# Altium PCB BMS.PcbDoc (part 1 of 2) (continued)
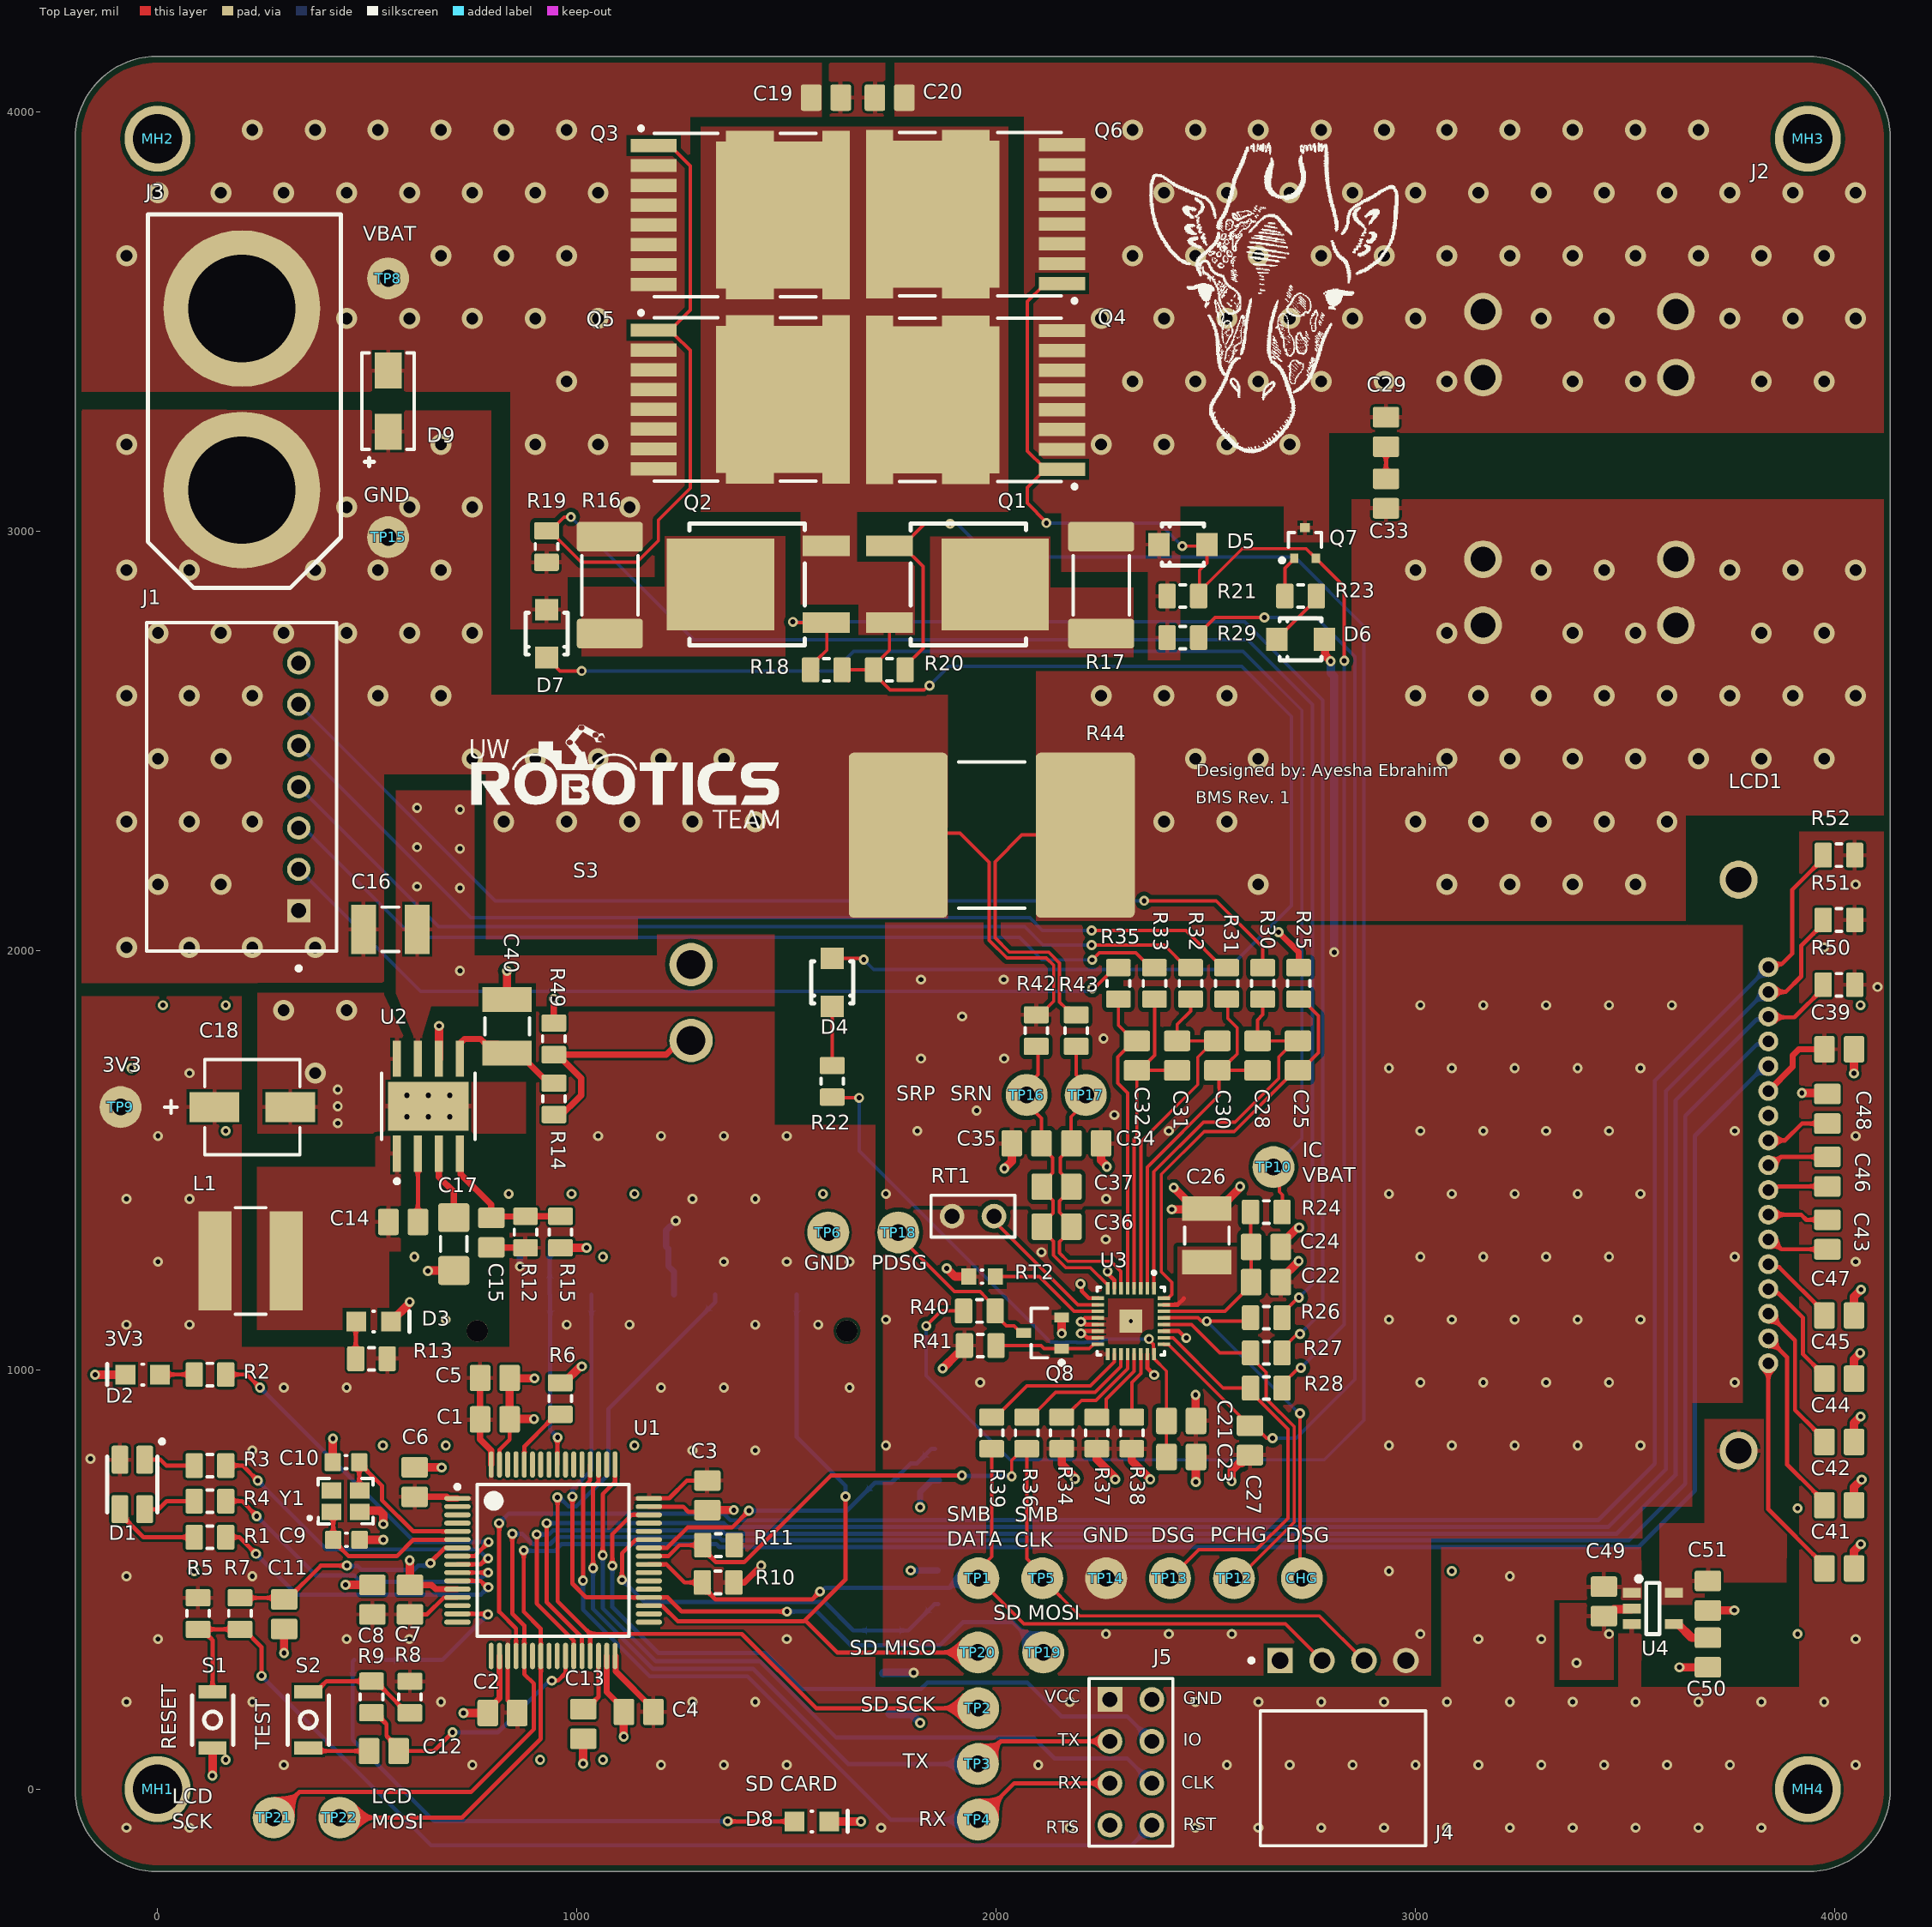
[diagram p0: Top Layer view]
## Components (designator, comment, footprint, x,y, rotation, side; value= is the part's Value field where it differs from the comment) (continued)
TP10 "TESTPOINT_LOOP" TESTPOINT_LOOP 2662.1,1483.9 r270 top
TP12 "TESTPOINT_LOOP" TESTPOINT_LOOP 2567.94,503 r90 top
TP13 "TESTPOINT_LOOP" TESTPOINT_LOOP 2415.45,503 r90 top
TP14 "TESTPOINT_LOOP" TESTPOINT_LOOP 2262.97,503 r90 top
TP15 "TESTPOINT_LOOP" TESTPOINT_LOOP 550,2986.3 r270 top
TP16 "TESTPOINT_LOOP" TESTPOINT_LOOP 2073.34,1655.82 r270 top
TP17 "TESTPOINT_LOOP" TESTPOINT_LOOP 2214.34,1655.82 r270 top
TP18 "TESTPOINT_LOOP" TESTPOINT_LOOP 1767,1328 r270 top
TP19 "TESTPOINT_LOOP" TESTPOINT_LOOP 2113,326 r90 top
TP20 "TESTPOINT_LOOP" TESTPOINT_LOOP 1957,326 r90 top
TP21 "TESTPOINT_LOOP" TESTPOINT_LOOP 277,-68 r90 top
TP22 "TESTPOINT_LOOP" TESTPOINT_LOOP 434,-68 r90 top
U1 "STM32F446RET6" STM-LQFP64_L 943.65,545.97 r0 top
U2 "LMR23610ADDAR" "8-SO PowerPad" 646,1629.19 r90 top
U3 "BQ40Z80RSMT" BQ40Z80RSMT 2321.91,1116.2 r270 top
U4 "LP3985IM5-3.0/NOPB" SOT23-5 3567.25,430.91 r0 top
Y1 "CRYSTAL_25MHZ" SOIC254P1016X440-4N 448.51,687.02 r0 top

## Footprints (in the part's own frame and the unit in brackets; to place one, negate y for a bottom-side part, rotate by r counter-clockwise, add the part's x,y. Pads: shape width x height; smd on the part's side, far side on the other; paste and mask are expansions set on the pad)
8-HPSOF [mm]
  rect 0.8x2.8 smd: 1(-4.2,-5.24) 2(-3,-5.24) 2(-1.8,-5.24) 2(-0.6,-5.24) 2(0.6,-5.24) 2(1.8,-5.24) 2(3,-5.24) 2(4.2,-5.24)
  rect 10.2x1.65 smd: 3(0,5.815)
  rect 8.9x2.95 smd: 3(0,3.515)
  rect 10.2x2.9 smd: 3(0,0.59)
  rect 8.9x0.6 smd: 3(0,-1.16)
  silkscreen extent -5.37,-6.12 4.95,4.6, body extent -4.95,-5.83 4.95,5.84, height 2.3
"8-SO PowerPad" [mm]
  rect 2.2x0.5 smd paste-1000 mask+0: 1(-2.875,1.905) 2(-2.875,0.635) 3(-2.875,-0.635) 4(-2.875,-1.905) 5(2.875,-1.905) 6(2.875,-0.635) 7(2.875,0.635) 8(2.875,1.905)
  rect 2.95x4.9 smd paste-1000 mask-1000: 9(0,0)
  silkscreen extent -4.67,-2.83 2,2.83, body extent -4.08,-2.68 4.08,2.68, height 0.25
B3U-1000P [mm] "TACTILE SWITCH GREY"
  rect 0.8x1.7 smd: 1(-1.7,0) 2(1.7,0)
  silkscreen extent -1.5,-1.25 1.5,1.25, body extent -2,-1.25 2,1.25, height 1.6
BQ40Z80RSMT [mm] "QFN40P400X400X100-33N_BQ40Z80RSMT(Primary)"
  rect 0.74x0.22 smd: 1(-1.995,1.4) 2(-1.995,1) 3(-1.995,0.6) 4(-1.995,0.2) 5(-1.995,-0.2) 6(-1.995,-0.6) 7(-1.995,-1) 8(-1.995,-1.4) 17(1.995,-1.4) 18(1.995,-1) 19(1.995,-0.6) 20(1.995,-0.2) 21(1.995,0.2) 22(1.995,0.6) 23(1.995,1) 24(1.995,1.4)
  rect 0.22x0.74 smd: 9(-1.4,-1.995) 10(-1,-1.995) 11(-0.6,-1.995) 12(-0.2,-1.995) 13(0.2,-1.995) 14(0.6,-1.995) 15(1,-1.995) 16(1.4,-1.995) 25(1.4,1.995) 26(1,1.995) 27(0.6,1.995) 28(0.2,1.995) 29(-0.2,1.995) 30(-0.6,1.995) 31(-1,1.995) 32(-1.4,1.995)
  rect 1.4x1.4 smd: 33(0,0)
  round 0.457 hole 0.254 mask+0.203: 33_1(0,0)
  silkscreen extent -3.03,-2.05 2.05,2.05, body extent -2,-2 2,2, height 1
CAPC0603(1608)55_N [mm] "Chip Capacitor, Body 1.6x0.8mm, Height 0.55mm, IPC Medium Density"
  rrect20% 1x1.1 smd: 1(-0.8,0) 2(0.8,0)
  silkscreen extent -0.05,-0.4 0.05,0.4, body extent -0.87,-0.48 0.88,0.48, height 0.87
CAPC1206(3216) [mm] "Chip Capacitor, Body 3.2x1.6mm, Height 0.55mm, IPC Medium Density"
  rrect20% 1.75x1.9 smd: 1(-1.6,0) 2(1.6,0)
  silkscreen extent -0.45,-0.8 0.45,0.8, body extent -1.7,-0.9 1.7,0.9, height 0.88
CAPC1210(3225) [mm]
  rect 1.5x3 smd: 1(-1.625,0) 2(1.625,0)
  silkscreen extent -0.51,-1.35 0.51,1.35, body extent -1.7,-1.35 1.7,1.35, height 2.1
CAPC2012X140N [mm]
  rrect20% 1.25x1.6 smd: 1(-0.895,0) 2(0.895,0)
  body extent -1.1,-0.7 1.1,0.75, height 1.41
D-PAK [mm] "TO-252AA"
  rect 5.55x6.5 smd: 1(0,3.2)
  rect 1.25x2.85 smd: 2(-2.325,-3.2) 3(2.325,-3.2)
  silkscreen extent -3.68,-1.9 3.68,5.08, body extent -3.27,-4.08 3.27,5.8, height 2.64
DO-214AC_UNI [mm]
  rect 2.18x1.63 smd: 1(-1.857,0) 2(1.857,0)
  silkscreen extent -3.94,-1.59 2.92,1.59, body extent -2.6,-1.3 2.6,1.3, height 2.38
GF1230054 [mil]
  round 103.35 / inner round 60 / far side round 103.35 hole 68.9 mask+8: 1(-181.1,0) 2(0,0)
  body extent -323,-245 325,155, height 654
"HDR1X2 - PTH Thermistor" [mm] "Connector; Header; 2 Position"
  round 1.5 hole 0.9: 1(0,0) 2(2.54,0)
  silkscreen extent -1.27,-1.27 3.81,1.27
HEADER_2X4 [mm]
  rect 1.5x1.5 hole 0.9: 1(0,0)
  round 1.5 hole 0.9: 2(2.54,0) 3(5.08,0) 4(7.62,0) 5(0,2.54) 6(2.54,2.54) 7(5.08,2.54) 8(7.62,2.54)
  silkscreen extent -1.27,-1.27 8.89,3.81, body extent -1.36,-1.32 8.8,3.67, height 8.54
HRS_DM1AA-SF-PEJ(21) [mm]
  rect 1.1x2 smd: 1(6.875,14.95) 2(4.375,14.95) 3(1.875,14.95) 4(-0.625,14.95) 5(-3.125,14.95) 6(-5.625,14.95) 7(-8.05,14.95) 8(-9.75,14.95) 9(9.375,14.95)
  rect 2x1 smd: 10(-13.3,3.55) 11(-13.3,-5.4) 12(-13.3,-8)
  rect 2x2 smd: 13(-13.7,8.2) 14(-13.7,-10.45) 15(15.3,-10.45) 16(15.3,8.2)
  round 1.3 hole 1.3 unplated: ""(-11.1,12.75) ""(11.3,12.75)
  silkscreen extent -13.2,-15.25 14.8,16.85, body extent -14.2,-15.25 15.8,15.25, height 2.9
IND_BOURNS_SRN6045 [mil]
  rect 79x236 smd paste+0 mask+0: 1(-85,0) 2(85,0)
  silkscreen extent -36,-127 36,127, body extent -118,-118 118,118, height 177
JST_S7B-XH-A(LF)(SN) [mm]
  rect 1.408x1.408 hole 0.9: 1(-7.5,-3.46)
  round 1.408 hole 0.9: 2(-5,-3.46) 3(-2.5,-3.46) 4(0,-3.46) 5(2.5,-3.46) 6(5,-3.46) 7(7.5,-3.46)
  silkscreen extent -11.12,-5.75 9.95,5.75, body extent -9.95,-5.75 9.95,5.75, height 6.15
LED_0805_LINE [mm] "SMD, 2-Leads, Body 2x1.25mm"
  rect 1.2x1.2 smd: 1(-1.05,0) 2(1.05,0)
  silkscreen extent -0.05,-0.63 2.16,0.64, body extent -1,-0.63 1,0.63, height 0.8
LED_RGB [mm]
  rrect20% 1x1.7 smd: 1(-0.75,-1.5) 2(-0.75,1.5) 3(0.75,1.5) 4(0.75,-1.5)
  silkscreen extent -1.92,-2.72 1.53,1.7, body extent -1.4,-1.75 1.4,1.75, height 1.89
MOLEX-22-05-3041_V [mm] "CONN, 4-Leads, Body 10.01x8.18mm, Pitch 2.54mm"
  rect 1.55x1.55 hole 1.02: 1(-3.81,0)
  round 1.55 hole 1.02: 2(-1.27,0) 3(1.27,0) 4(3.81,0)
  silkscreen extent -5.68,-11.23 5,0.12, body extent -5,-12.61 5,0.32, height 6.43
MOLEX-0399200302 [mil] "CONN, 4-Leads, Body 10.01x8.18mm, Pitch 2.54mm"
  round 90 hole 60: 1(-196.85,196.85) 1(-196.85,-263.15) 1(-39.37,196.85) 1(-39.37,-263.15) 2(393.7,-263.15) 2(393.7,196.85) 2(551.18,-263.15) 2(551.18,196.85)
  body extent -448,-512 802,300, height 1480
MOUNTING_HOLE [mm]
  round 4 hole 3 unplated: 0(0,0)
NHDC12832A1ZFSWFBW3V3 [mm]
  round 1.2 hole 0.7 mask+0.203: 1(0,0) 2(1.5,0) 3(3,0) 4(4.5,0) 5(6,0) 6(7.5,0) 7(9,0) 8(10.5,0) 9(12,0) 10(13.5,0) 11(15,0) 12(16.5,0) 13(18,0) 14(19.5,0) 15(21,0) 16(22.5,0) 17(24,0)
  round 2.31 / inner round 1.524 / far side round 2.31 hole 1.54 mask+0.203: A(-5.3,1.8) K(29.3,1.8)
  body extent -8.66,-0.72 32.74,23.58, height 4
PCAP_SVP_B6_PA00 [mil]
  rect 119x72 smd paste+0 mask+0: 1(-90.5,0) 2(90.5,0)
  silkscreen extent -209,-114 114,114, body extent -124,-110 120,107, height 238
RES-5931 [mm]
  rrect10% 6x10 smd paste+0 mask+0: 1(-5.664,0) 2(5.664,0)
  silkscreen extent -2,-4.43 2,4.43, body extent -7.5,-3.87 7.5,3.88, height 2.36
RESC0603(1608)_N [mm] "Chip Resistor, Body 1.6x0.8mm, IPC Medium Density"
  rect 0.9x1 smd: 1(0,0) 2(1.6,0)
  silkscreen extent 0.75,-0.4 0.85,0.4, body extent -0.05,-0.47 1.65,0.47, height 0.6
RESC2012X60N [mm]
  rrect20% 1.05x1.5 smd: 1(-0.955,0) 2(0.955,0)
  silkscreen extent -0.17,-0.68 0.17,0.68, body extent -1,-0.62 1,0.62, height 0.6
RESC6532X75N [mm]
  rrect20% 1.8x4 smd: 1(-2.935,0) 2(2.935,0)
  silkscreen extent -1.79,-1.7 1.79,1.7, body extent -3.17,-1.6 3.17,1.6, height 0.65
SOD-123_FLAT [mm]
  rect 1.3x1.4 smd: 1(-1.45,0) 2(1.45,0)
  silkscreen extent -1.27,-1.27 1.27,1.27, body extent -1.93,-1.08 1.92,1.08, height 1.35
SOIC254P1016X440-4N [mm]
  rect 1.2x1 smd: 1(-0.85,-0.65) 2(0.85,-0.65) 3(0.85,0.65) 4(-0.85,0.65)
  silkscreen extent -2.27,-1.37 1.66,1.37, body extent -1.24,-0.85 1.24,0.85, height 0.56
SOT23-3 [mm] "SOT23, 3-Leads, Body 2.90x2.30mm, Pitch 0.95mm, IPC Medium Density"
  rect 0.9x0.6 smd: 1(-1.15,0.95) 2(-1.15,-0.95) 3(1.15,0)
  silkscreen extent -1.28,-1.5 0.7,1.92, body extent -1.3,-1.5 1.3,1.5, height 1.1
SOT23-5 [mm]
  rect 1.1x0.6 smd: 1(-1.279,0.95) 2(-1.279,0) 3(-1.279,-0.95) 4(1.279,-0.95) 5(1.279,0.95)
  silkscreen extent -0.99,-1.55 0.4,1.94, body extent -1.4,-1.45 1.4,1.45, height 1.2
SOT323 [mm]
  rect 0.55x0.5 smd: 1(0.925,-0.65) 2(0.925,0.65)
  rect 0.55x0.6 smd: 3(-0.925,0)
  silkscreen extent -0.63,-1.52 1.17,1, body extent -1.05,-1 1.05,1, height 1.11
STM-LQFP64_L [mm] "QFP, 64-Leads, Body 10x10mm, Pitch 0.5mm, IPC High Density"
  oval 1.6x0.3 smd: 1(-5.8,3.75) 2(-5.8,3.25) 3(-5.8,2.75) 4(-5.8,2.25) 5(-5.8,1.75) 6(-5.8,1.25) 7(-5.8,0.75) 8(-5.8,0.25) 9(-5.8,-0.25) 10(-5.8,-0.75) 11(-5.8,-1.25) 12(-5.8,-1.75) 13(-5.8,-2.25) 14(-5.8,-2.75) 15(-5.8,-3.25) 16(-5.8,-3.75) 33(5.8,-3.75) 34(5.8,-3.25) 35(5.8,-2.75) 36(5.8,-2.25) 37(5.8,-1.75) 38(5.8,-1.25) 39(5.8,-0.75) 40(5.8,-0.25) 41(5.8,0.25) 42(5.8,0.75) 43(5.8,1.25) 44(5.8,1.75) 45(5.8,2.25) 46(5.8,2.75) 47(5.8,3.25) 48(5.8,3.75)
  oval 0.3x1.6 smd: 17(-3.75,-5.8) 18(-3.25,-5.8) 19(-2.75,-5.8) 20(-2.25,-5.8) 21(-1.75,-5.8) 22(-1.25,-5.8) 23(-0.75,-5.8) 24(-0.25,-5.8) 25(0.25,-5.8) 26(0.75,-5.8) 27(1.25,-5.8) 28(1.75,-5.8) 29(2.25,-5.8) 30(2.75,-5.8) 31(3.25,-5.8) 32(3.75,-5.8) 49(3.75,5.8) 50(3.25,5.8) 51(2.75,5.8) 52(2.25,5.8) 53(1.75,5.8) 54(1.25,5.8) 55(0.75,5.8) 56(0.25,5.8) 57(-0.25,5.8) 58(-0.75,5.8) 59(-1.25,5.8) 60(-1.75,5.8) 61(-2.25,5.8) 62(-2.75,5.8) 63(-3.25,5.8) 64(-3.75,5.8)
  silkscreen extent -5.92,-4.6 4.6,4.6, body extent -5,-5 5,5, height 1.6
TESTPOINT_LOOP [mm]
  round 2.54 hole 1.02: 1(0,0)
  body extent -1.27,-1.27 1.27,1.27, height 4.57
XT90 [mm]
  round 9.5 hole 6.5: 1(59,75) 2(59,64)
  silkscreen extent 53.3,58.06 65,80.7, body extent 53.82,58.82 64.52,80.22, height 21.04

## Part data
C1 C2 C3 C4 C6 C7 C14 C19 C20 C25 C28 C29 C30 C31 C32 C33 C34 C35 C37 C38 C39 C41 C42 C44 C45 C47: "CAP CER 0.1UF 50V X7R 0805", Capacitance=100nF, Case Code (Imperial)=0805, Case Code (Metric)=2012, Dielectric=X7R, Manufacturer 1="Murata Electronics", Manufacturer Part Number 1=GCD21BR71H104KA01L, Max Operating Temperature=125°C, Min Operating Temperature=-55°C, Ratings=AEC-Q200, Supplier Part Number 1=490-11955-1-ND, Tolerance=10%, Voltage Rating=50V, Case/Package=0805, ComponentLink1Description=https://datasheet.ciiva.com/29537/c03e-29537701.pdf?src-supplier=Digi-Key, ComponentLink1URL=https://datasheet.ciiva.com/29537/c03e-29537701.pdf?src-supplier=Digi-Key, Depth=1.25mm, Height=1.25mm, Length=2mm, Mount="Surface Mount", Supplier 1=Digi-Key, Termination=SMD/SMT, Thickness=0.049inch, Width=0.049inch
C5 C13: "CAP CER 4.7UF 16V X5R 0805", Capacitance=4.7uF, Case Code (Imperial)=0805, Case Code (Metric)=2012, Dielectric=X5R, Manufacturer 1="Samsung Electro-Mechanics", Manufacturer Part Number 1=CL21A475KOFNNNE, Max Operating Temperature=85°C, Min Operating Temperature=-55°C, Supplier Part Number 1=1276-1065-1-ND, Tolerance=10%, Voltage Rating=16V, Case/Package=0805, Mount="Surface Mount", Supplier 1=Digi-Key, Termination=SMD/SMT
C8 C11 C12 C49 C51: "CAP CER 1UF 16V X7R 0805", Capacitance=1uF, Case Code (Imperial)=0805, Case Code (Metric)=2012, Dielectric=X7R, Manufacturer 1=Yageo, Manufacturer Part Number 1=CC0805KKX7R7BB105, Max Operating Temperature=125°C, Min Operating Temperature=-55°C, Supplier Part Number 1=311-1365-1-ND, Tolerance=10%, Voltage Rating=16V, Case/Package=0805, Mount="Surface Mount", Supplier 1=Digi-Key, Termination=SMD/SMT
C9 C10: "Cap Ceramic 14pF 50V C0G 5% SMD 0603 125C Cardboard T/R", Capacitance=14pF, Case Code (Imperial)=0603, Case Code (Metric)=1608, Dielectric=C0G, Manufacturer 1=Samsung, Max Operating Temperature=125°C, Min Operating Temperature=-55°C, Package Quantity=1, Supplier Part Number 1=1276-2187-1-ND, Tolerance=5%, Voltage Rating=50V, Case/Package=0603, ComponentLink1Description=https://datasheet.ciiva.com/25782/cl10c140jb8nnnc-25782947.pdf?src-supplier=Digi-Key, ComponentLink1URL=https://datasheet.ciiva.com/25782/cl10c140jb8nnnc-25782947.pdf?src-supplier=Digi-Key, Depth=0.8mm, Height=0.8mm, Length=1.6mm, Manufacturer Part Number 1=CL10C140JB8NNNC, Mount="Surface Mount", Packaging="Tape and Reel", Pricing 1="1=0.10000, 10=0.06700, 100=0.02980, 500=0.02130, 1000=0.01673 (USD)", Radiation Hardening=No, RoHS=Yes, Stock 1=187088, Supplier 1=Digi-Key, Thickness=0.035inch, Voltage Rating (DC)=50V, Width=0.031inch
C15: "CAP CER 150PF 250V C0G/NP0 0805", Capacitance=150pF, Case Code (Imperial)=0805, Case Code (Metric)=2012, Dielectric="C0G, NP0", Manufacturer 1="Murata Electronics", Manufacturer Part Number 1=GRM21A5C2E151JW01D, Max Operating Temperature=125°C, Min Operating Temperature=-55°C, Supplier Part Number 1=490-12755-1-ND, Tolerance=5%, Voltage Rating=250V, Case/Package=0805, Mount="Surface Mount", Supplier 1=Digi-Key, Termination=SMD/SMT, Width=0.049inch
C16: "CAP CER 10UF 100V X7S 1210", Manufacturer 1="Murata Electronics", Manufacturer Part Number 1=GRM32EC72A106KE05L, Package="1210 (3225 Metric)", Supplier Part Number 1=490-16266-2-ND, Temperature Coefficient=X7S, Voltage Rating=100V, Mount="Surface Mount", Supplier 1=Digi-Key
C17: "CAP CER 2.2UF 50V X7R 1206", Capacitance=2.2uF, Case Code (Imperial)=1206, Case Code (Metric)=3216, Dielectric=X7R, Manufacturer 1="Murata Electronics", Manufacturer Part Number 1=GCM31CR71H225KA55L, Max Operating Temperature=125°C, Min Operating Temperature=-55°C, Package Quantity=1, Ratings=AEC-Q200, Supplier Part Number 1=490-4796-1-ND, Tolerance=10%, Voltage=50V, Case/Package=1206, Category="Ceramic Capacitors", Depth=1.6mm, Height=1.6mm, Lead Free="Lead Free", Length=3.2mm, Packaging="Tape and Reel", Pricing 2="1=0.54000, 10=0.38400, 100=0.25300, 500=0.18742, 1000=0.15931 (USD)", Radiation Hardening=No, REACH SVHC="No SVHC", RoHS=Yes, Stock 2=102080, Supplier 1=Digi-Key, Termination=SMD/SMT, Thickness=0.071inch, Voltage Rating=50V, Voltage Rating (DC)=50V, Width=1.6mm
C18: "CAP ALUM POLY 220UF 20% 6.3V SMD", Manufacturer 1="Panasonic Electronic Components", Manufacturer Part Number 1=6SVPE220MW, Package="Radial, Can - SMD", Supplier Part Number 1=P16836CT-ND, Voltage Rating=6.3V, Mount="Surface Mount", Supplier 1=Digi-Key
C21 C22 C23 C24 C36: "CAP CER 100PF 50V C0G/NP0 0805", Capacitance=100pF, Case Code (Imperial)=0805, Case Code (Metric)=2012, Dielectric="C0G, NP0", Manufacturer 1=KEMET, Manufacturer Part Number 1=C0805C101J5GACTU, Max Operating Temperature=125°C, Min Operating Temperature=-55°C, Supplier Part Number 1=399-1122-1-ND, Tolerance=5%, Voltage Rating=50V, Case/Package=0805, Mount="Surface Mount", Supplier 1=Digi-Key, Termination=SMD/SMT
C26: "CAP CER 2.2UF 100V X7R 1210", Capacitance=2.2uF, Case Code (Imperial)=1210, Case Code (Metric)=3225, Case/Package="1210 (3225 Metric)", Dielectric=X7R, Manufacturer 1="Taiyo Yuden", Manufacturer Part Number 1=HMK325B7225KMHP, Max Operating Temperature=125°C, Min Operating Temperature=-55°C, Supplier Part Number 1=587-5396-1-ND, Tolerance=10%, Voltage Rating=100V, Mount="Surface Mount", Supplier 1=Digi-Key, Termination=SMD/SMT
C27 C50: "CAP CER 10000PF 100V X7R 0805", Case Code (Imperial)=0805, Case Code (Metric)=2012, Dielectric=X7R, Manufacturer 1=KEMET, Manufacturer Part Number 1=C0805C103K1RACTU, Max Operating Temperature=125°C, Min Operating Temperature=-55°C, Supplier Part Number 1=399-1159-1-ND, Tolerance=10%, Voltage Rating=100V, Case/Package=0805, Mount="Surface Mount", Supplier 1=Digi-Key, Termination=SMD/SMT
C40: "CAP CER 10uF 100V X7S 10% 1210", Case Code (Imperial)=1210, Case Code (Metric)=3225, Dielectric=X7S, Manufacturer 1=Murata, Manufacturer Part Number 1=GRM32EC72A106KE05L, Max Operating Temperature=125°C, Min Operating Temperature=-55°C, Package="1210 (3225 Metric)", Supplier Part Number 1=490-16266-1-ND, Tolerance=10%, Voltage Rating=100V, Category="Ceramic Capacitors", Mount="Surface Mount", Supplier 1=Digi-Key
C43 C46 C48: "CAP CER 2.2UF 25V X7R 0805", Capacitance=2200nF, Case Code (Imperial)=0805, Case Code (Metric)=2012, Dielectric=X7R, Manufacturer 1="Murata Electronics", Manufacturer Part Number 1=GRM21BR71E225KA73L, Max Operating Temperature=125°C, Min Operating Temperature=-55°C, Ratings=AEC-Q200, Supplier Part Number 1=490-3331-2-ND, Tolerance=10%, Voltage Rating=25V, Case/Package=0805, Depth=1.25mm, Height=1.25mm, Length=2mm, Mount="Surface Mount", Supplier 1=Digi-Key, Termination=SMD/SMT, Thickness=0.049inch, Width=0.049inch
CHG TP1 TP2 TP3 TP4 TP5 TP6 TP8 TP9 TP10 TP12 TP13 TP14 TP15 TP16 TP17 TP18 TP19 TP20 TP21 TP22: "Loop testpoint through-hole pad", Manufacturer 1="Keystone Electronics", Manufacturer Part Number 1=5002, Supplier Part Number 1=36-5002-ND, Mount="Through Hole", Supplier 1=Digi-Key
D1: "LED RGB DIFFUSED 4PLCC SMD", Case/Package=PLCC, Color=Blue,Green,Red, Forward Voltage=3.1V, Lens Color=White, Manufacturer 1=Broadcom, Manufacturer Part Number 1=ASMB-MTB1-0A3A2, Supplier Part Number 1=516-3280-1-ND, Test Current=20mA, ComponentLink1Description=http://www.farnell.com/datasheets/2111106.pdf?src-supplier=Farnell, ComponentLink1URL=http://www.farnell.com/datasheets/2111106.pdf?src-supplier=Farnell, ComponentLink2Description=https://docs.broadcom.com/docs/AV02-4194EN?src-supplier=Digi-Key, ComponentLink2URL=https://docs.broadcom.com/docs/AV02-4194EN?src-supplier=Digi-Key, ComponentLink3Description=http://www.farnell.com/datasheets/1801564.pdf?src-supplier=Element14, ComponentLink3URL=http://www.farnell.com/datasheets/1801564.pdf?src-supplier=Element14, ComponentLink4Description=http://www.farnell.com/datasheets/2111106.pdf?src-supplier=Newark, ComponentLink4URL=http://www.farnell.com/datasheets/2111106.pdf?src-supplier=Newark, Dominant Wavelength=470nm, Height=1.9mm, Length=3.2mm, Lens Style=Round, Lens Transparency=Diffused, Luminous Intensity=350mcd, Mount="Surface Mount", Number of Pins=4, Packaging="Cut Tape", Pricing 1="1=0.60000, 10=0.47100, 100=0.30210, 500=0.25980, 1000=0.20059 (USD)", REACH SVHC="No SVHC", RoHS=Yes, Stock 1=142531, Supplier 1=Digi-Key, Viewing Angle=115°, Width=2.8mm
D2 D3 D8: "LED GREEN DIFFUSED 0805 SMD", Forward Voltage Drop=2.2V, Manufacturer 1=OSRAM, Manufacturer Part Number 1="LG R971-KN-1", Package="0805 (2012 Metric)", Supplier Part Number 1=475-1410-1-ND, Mount="Surface Mount", Supplier 1=Digi-Key
D4 D7: library part DIO_SCHOTTKY_40V_500mA, "DIODE SCHOTTKY 40V 500MA SOD123", Capacitance=170pF, Forward Current=0.5A, Manufacturer="Diodes Inc.", Manufacturer 1="Diodes Incorporated", Max Junction Temp=+150°C, Max Repetitive Reverse Voltage=40V, Max Surge Forward Current=5.5A, Package=SOD123, Peak Reverse Current=20uA, Supplier Part Number 1=B0540W-FDITR-ND, Temperature="-65°C to +150°C", Temperature Range Low=-65°C, Automotive=Yes, Automotive Grade="Grade 0", Category=Diode, ComponentLink2Description=Datasheet, ComponentLink2URL=https://www.diodes.com/assets/Datasheets/ds30138.pdf, Device Class L1="Discrete Semiconductors", Device Class L2=Diodes, Device Class L3="Schottky Diodes", Digikey Description="DIODE SCHOTTKY 40V 500MA SOD123", Footprint Url=https://www.diodes.com/assets/Package-Files/SOD123.pdf, Height=1.45mm, Lead Free=Yes, Manufacturer Part Number=B0540W-7-F, Manufacturer Part Number 1=B0540W-7-F, Mouser Description="Schottky Diodes & Rectifiers 40V 410mW", Octopart=https://octopart.com/b0540w-7-f-diodes+inc.-325656, Reverse Voltage=40V, RoHS=TRUE, Standoff Height=0mm, Supplier 1=Digi-Key, Temperature Range High=+150°C
D5: "DIODE ZENER 16V 500MW SOD123", Case/Package=SOD-123, Forward Voltage=900mV, Manufacturer 1="Diodes Incorporated", Manufacturer Part Number 1=MMSZ5246B-7-F, Max Power Dissipation=500mW, Max Reverse Leakage Current=100nA, Supplier Part Number 1=MMSZ5246B-FDITR-ND, Tolerance=5%, Zener Voltage=16V, Impedance=17Ω, Supplier 1=Digi-Key
D6: library part DIO_100V_300mA, "DIODE GEN PURP 100V 300MA SOD123", Manufacturer 1="Diodes Incorporated", Supplier Part Number 1=1N4148W-FDICT-ND, Device Class L2=Diodes, Manufacturer Part Number 1=1N4148W-7-F, Supplier 1=Digi-Key
D9: "TVS DIODE, 400W, 25.6V, UNI, DO-214AC", Breakdown Voltage=28.5V, Case/Package=SMA, Clamping Voltage=41.4V, Leakage Current=1uA, Manufacturer 1="Vishay Semiconductors", Max Operating Temperature=150°C, Max Power Dissipation=400W, Max Surge Current=40A, Min Operating Temperature=-65°C, Operating Supply Voltage=25.6V, Package Quantity=1800, Peak Pulse Current=9.7A, Power Line Protection=No, Supplier Part Number 1=P4SMA30A-E3/61GICT-ND, Test Current=1mA, Category="TVS Diodes", ComponentLink1Description=https://datasheet.ciiva.com:443/pdfs/VipMasterIC/IC/VISH/VISH-S-A0008073361/VISH-S-A0008073361-1.pdf?src-supplier=IHS+Markit, ComponentLink1URL=https://datasheet.ciiva.com:443/pdfs/VipMasterIC/IC/VISH/VISH-S-A0008073361/VISH-S-A0008073361-1.pdf?src-supplier=IHS+Markit, ComponentLink2Description=https://datasheet.ciiva.com/343/p4sma-343073.pdf?src-supplier=Digi-Key, ComponentLink2URL=https://datasheet.ciiva.com/343/p4sma-343073.pdf?src-supplier=Digi-Key, Composition=Zener, Direction=Unidirectional, Element Configuration=Single, Manufacturer Part Number 1=P4SMA30A-E3/61, Max Reverse Leakage Current=1uA, Min Breakdown Voltage=28.5V, Mount="Surface Mount", Number of Channels=1, Number of Elements=1, Number of Pins=2, Number of Unidirectional Channels=1, Packaging="Tape and Reel", Peak Pulse Power=400W, Polarity=Unidirectional, Pricing 1="1=0.35000, 10=0.28400, 25=0.26000, 100=0.16340, 250=0.16152, 500=0.15126 (USD)", Reverse Breakdown Voltage=28.5V, Reverse Standoff Voltage=25.6V, RoHS=Yes, Stock 1=1849, Supplier 1=Digi-Key